# Altium PCB CRD25DA12N-FMC V2 (09-2024).PcbDoc (part 3 of 6) (continued)
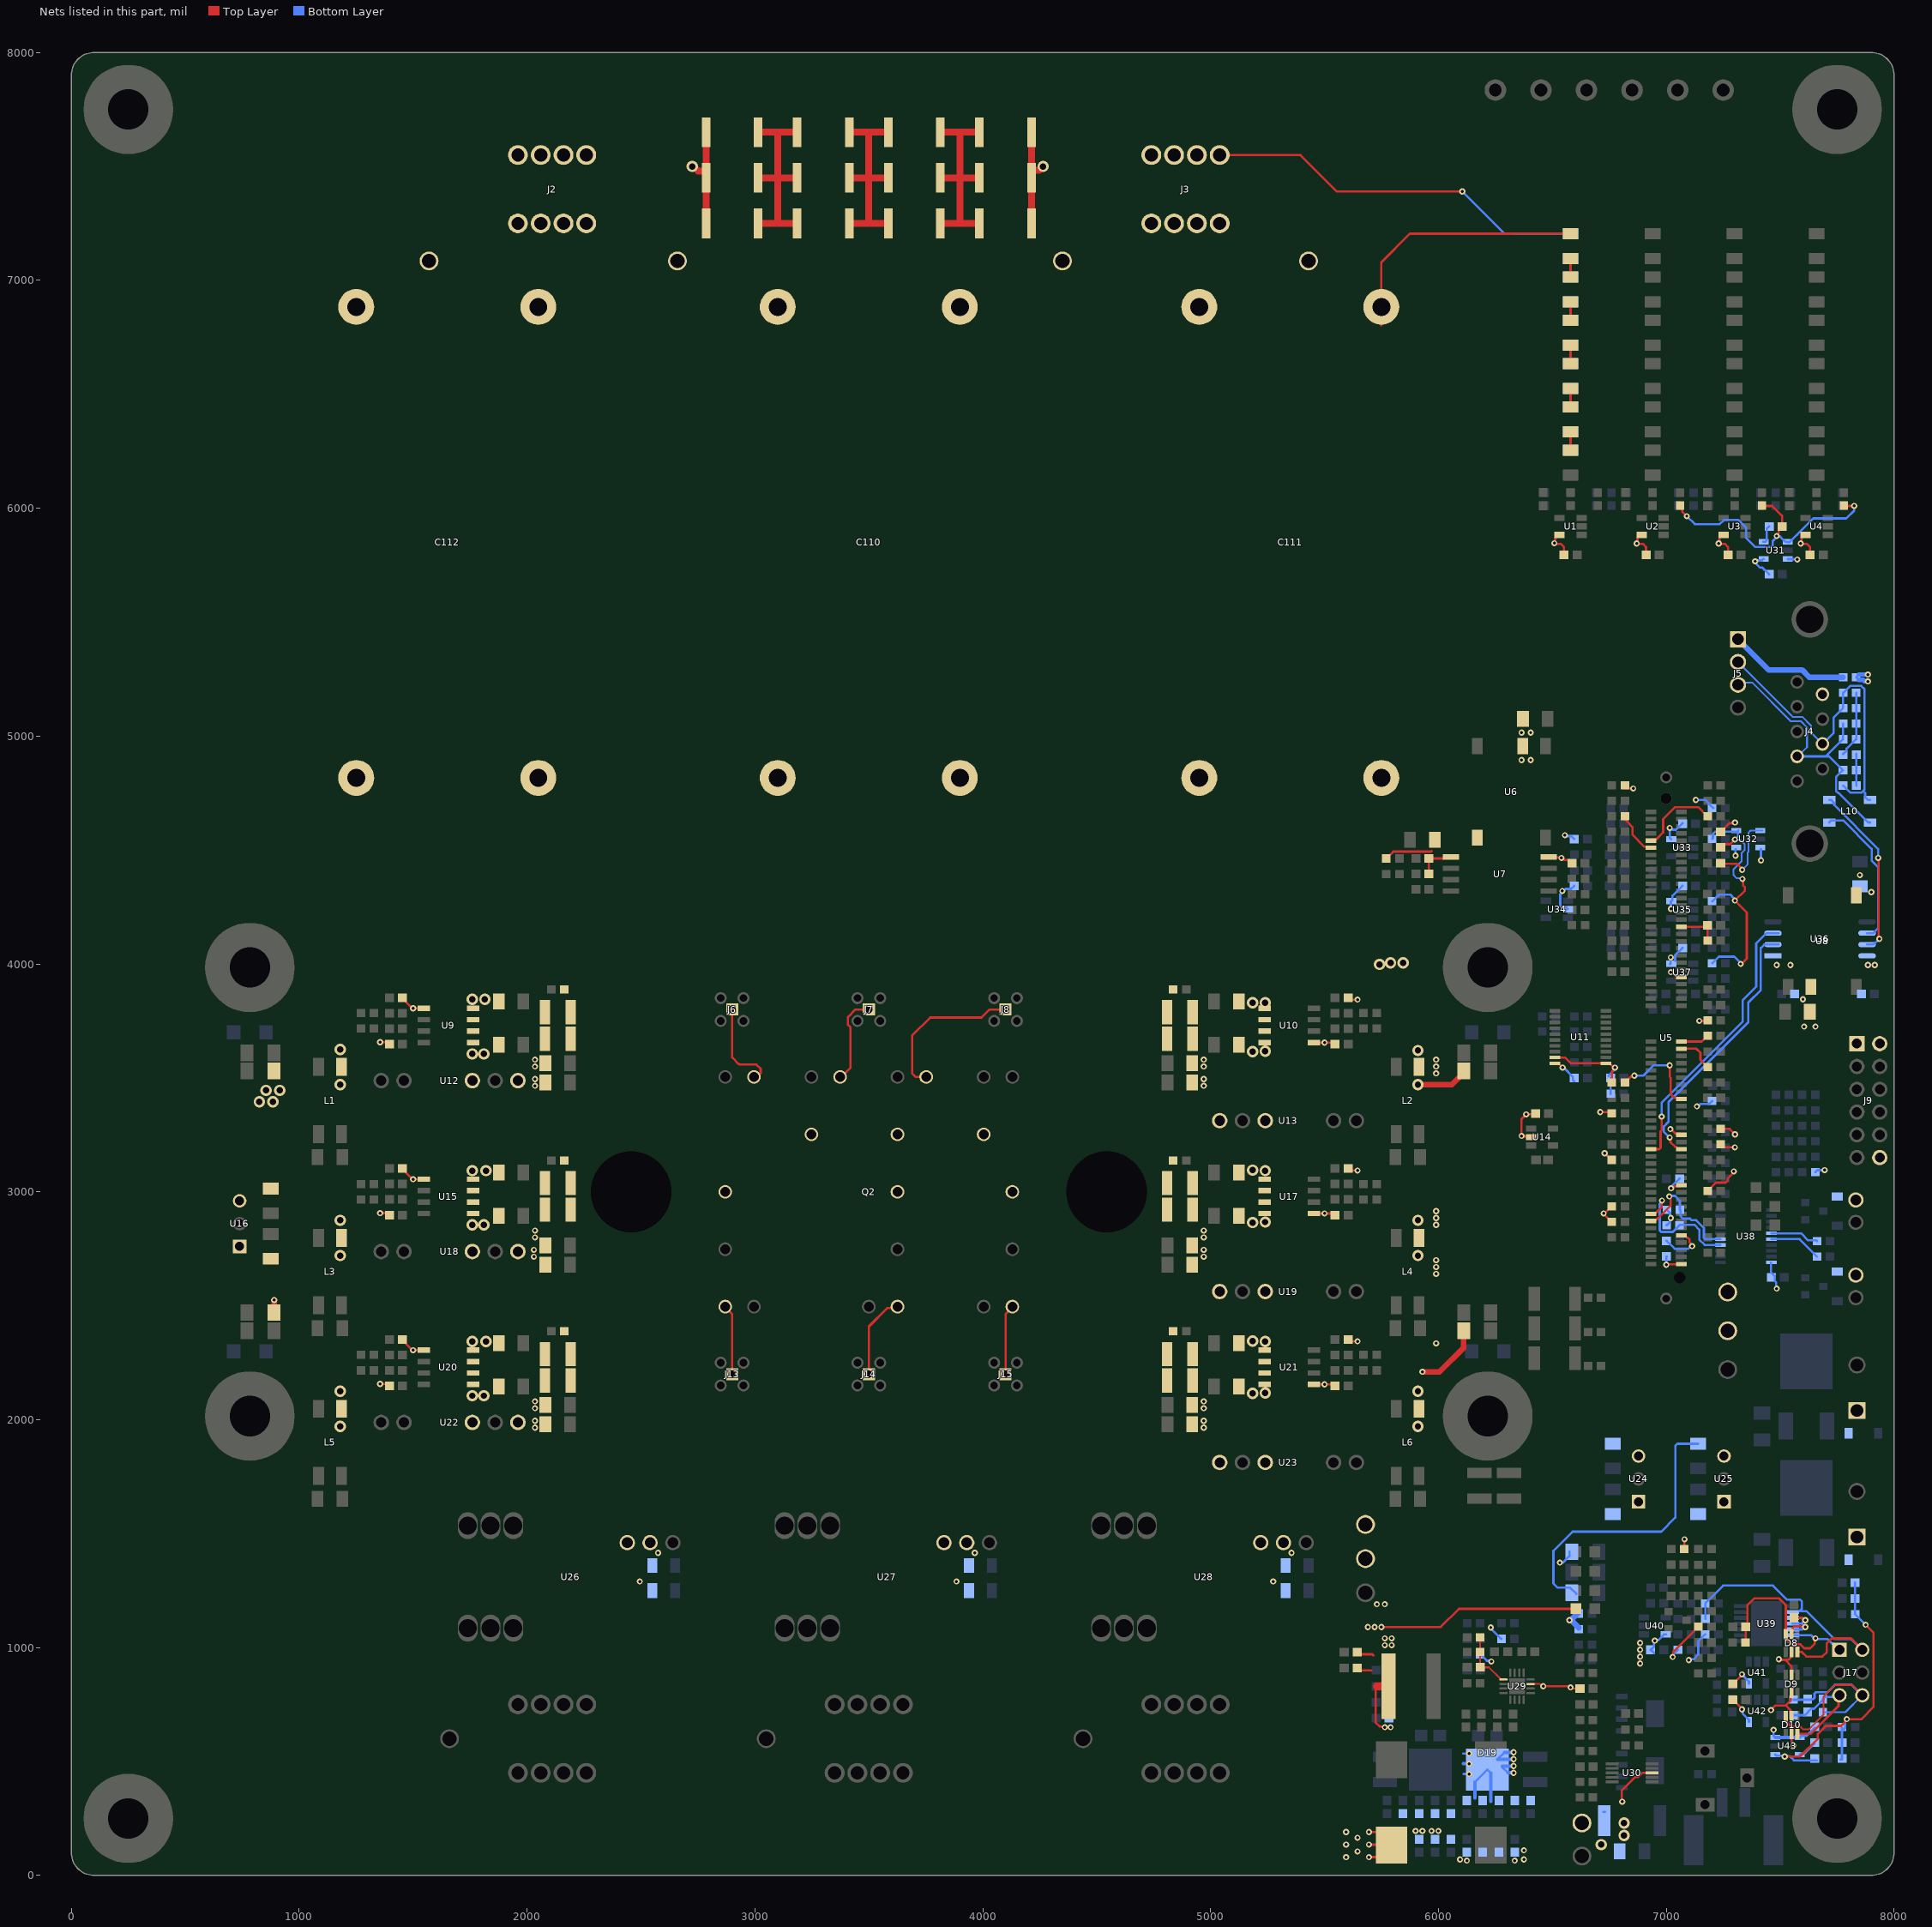
[diagram p7: the nets of this part, all layers, seen from the top]
## Part data (continued)
U30: "IC SURGE SUPPRESSION ADJ 10MSOP", Manufacturer="ANALOG DEVICES", Package=10-MSOP, Supplier Part Number 1=505-LTC4368IMS-2#PBF-ND, Category="Power Management ICs", ComponentLink1Description=http://www.linear.com/docs/57622?src-supplier=Digi-Key, ComponentLink1URL=http://www.linear.com/docs/57622?src-supplier=Digi-Key, Manufacturer Part Number=LTC4368IMS-2#PBF, Manufacturer Print="ANALOG DEVICES", Pricing 1="1=6.69000, 10=6.03900, 25=5.75840, 100=5.00000, 250=4.77528, 500=4.35396, 1000=3.97500 (USD)", RoHS=Yes, Supplier 1=Digi-Key
U31 U32 U43: "AUTOMOTIVE LOW-DRIFT, LOW-POWER,", Manufacturer="TEXAS INSTRUMENTS", Package=TSOT-23-5, Supplier Part Number 1=595-REF2033QDDCRQ1, Category="Voltage References", Manufacturer Part Number=REF2033QDDCRQ1, Pricing 1="1=3.59, 10=3.23, 50=3.23, 100=2.65, 1000=2.02, 10000=1.7 (USD)", RoHS=No, Stock 1=7420, Supplier 1=Mouser
U36: library part CMP-04872-000086-1, "IC TXRX/ISO FULL 1/1 8SOIC", Manufacturer="TEXAS INSTRUMENTS", Package=8-SOIC, Manufacturer Part Number=ISO1042BQDWVRQ1, RoHS Compliant=Yes
U39: library part CMP-04895-000282-1, "IC POWER 2 CIRCUIT 14HTSSOP", Manufacturer="TEXAS INSTRUMENTS", Package=14-PowerTSSOP, Manufacturer Part Number=ALM2402FQPWPRQ1

## Via types
v1: diameter 27, hole 13, Top Layer to Bottom Layer, tented both sides, 543 vias
v2: diameter 50, hole 28, Top Layer to Bottom Layer, tented both sides, 76 vias
v3: diameter 19.68, hole 7.87, Top Layer to Bottom Layer, tented top, 15 vias
v4: diameter 19.68, hole 7.87, Top Layer to Bottom Layer, tented both sides, 5 vias

## Nets (pads, with @x,y where several pads share a name; then routed paths per layer and width w, separated by ;. In a path a pad name is that pad's centre, name@x,y a point inside that pad or via, vN(x,y) a via of type N, cw(c..) or ccw(c..) an arc to the next point about the centre after c; other vN are vias at no path point)
+1.65V_I: C16.1 U32.1 | length 349
  Top Layer w10: C16.1@7238.58,4442 7240.58,4440 7310,4440 7333.21,4416.79 v1(7333.21,4413.21)
  Bottom Layer w8: v1(7333.21,4413.21) 7357.5,4437.5 7357.5,4488.19 7361.5,4492.18 7361.5,4576.5 7370.4,4585.4 U32.1@7423.15,4585.4
+1.65V_R: C161.1 C165.1 C181.1 C183.1 C184.1 R252.1 R272.1 U43.1 | length 1476.3
  Top Layer w10: v1(7520,521.49) 7586.8,521.49 7665,599.69 7665,620.31 7700.64,655.94 7767.72,655.94 7775.01,663.23 7775.01,663.81 7792.41,681.2 v1(7792.41,685.8) 7793.21,685 7820.91,685 7855,685 7910,740 7910,1065 v1(7875,1100)
  Bottom Layer w10: U43.1@7478.7,530.2 7484.15,524.74 7516.75,524.74 v1(7520,521.49) 7521.6,523.09 7541.91,523.09 7560,505 C184.1@7660.37,505 ; C183.1@7765.47,508 7771.42,508 C183.1@7771.42,513 7771.42,577.05 7770.47,578 7771.42,578 C181.1@7771.42,583 7771.42,634 ; R272.1@7771.38,647 7771.42,646.96 7771.42,634 ; v1(7792.41,685.8) 7792.41,681.2 7785.24,674.03 7785.24,646.96 7772.28,634 7771.42,634 ; C161.1@7828.58,1285 C165.1@7828.58,1215 C165.1@7828.58,1215 R252.1@7828.62,1146 7829.53,1146 7875,1100.53 v1(7875,1100)
+1.65V_V: C5.1 R40.2 R42.2 R44.2 U31.1 | length 1265.4
  Top Layer w10: R40.2@7060,6011.38 7069.85,6001.53 7069.85,5985.15 v1(7090,5965) ; R42.2@7420,6011.38 7421.38,6010 7465,6010 7508.58,5966.42 C5.1@7508.58,5920 7507.63,5920 7493.76,5906.14 7493.76,5891.72 7484.64,5882.6 v1(7484.64,5878) ; R44.2@7780,6011.38 7781.38,6010 v1(7825,6010)
  Bottom Layer w10: v1(7090,5965) 7125,5930 7234.54,5930 7253.04,5948.5 7316.81,5948.5 7350.91,5914.39 7350.91,5869.09 7390.41,5829.59 7459.9,5829.59 7467.25,5836.94 7467.25,5856.01 7484.64,5873.4 v1(7484.64,5878) 7487.9,5874.75 7500.96,5874.75 7523.31,5852.4 U31.1@7533.15,5852.4 ; U31.1@7533.15,5851.2 7541.79,5851.2 7574.09,5883.5 7645.59,5955 7790,5955 7825,5990 v1(7825,6010)
+3.3V: C6.1 C7.1 C8.1 C9.1 C10.1 C15.1 C31.1 C45.1 C100.1 C102.1 C123.1 C126.1 C135.1 C136.1 C140.1 C142.1 C155.1 C170.1 J9.1 R45.2 R71.2 R86.2 R89.2 R90.2 R92.2 R102.2 R107.2 R109.2 R135.2 R197.2 R223.2 R235.2 R239.2 R240.2 R245.1 R257.2 TP5.1 U1.5 U2.5 U3.5 U4.5 U6.2 U7.8 U8.2 U14.2 U24.3 U33.5 U34.2 U35.5 U36.1 U37.5 U40.5 U41.5 U42.5 | length 2896
  Top Layer w10: U14.2@6406.77,3242 6405.27,3243.5 6366.5,3243.5 v1(6365,3245) 6365,3319.69 6385,3339.69 v1(6385,3340) 6422.42,3340 C45.1@6426.42,3344 ; U7.8@6484.57,4470 6487.07,4467.5 6537.5,4467.5 v1(6540,4465) 6544.6,4465 6553.74,4455.86 6567.56,4455.86 C15.1@6581.42,4442 ; U1.5@6531.77,5882.6 6522.91,5882.6 6514.13,5873.82 6514.13,5864.96 6511.83,5862.66 6511.83,5849.68 v1(6508.58,5846.42) 6511.14,5843.86 6537.56,5843.86 6551.42,5830 C6.1@6551.42,5795 ; v1(6710,3350) 6755.38,3350 R86.2@6761.38,3344 ; v1(6729.42,3169.05) 6731.43,3169.05 6760.47,3140 R92.2@6761.38,3140 ; R109.2@6761.38,2868 6760.47,2868 6725,2903.47 v1(6725,2905) 6729.47,2905 6760.47,2936 R107.2@6761.38,2936 ; R45.2@6815,4770 v1(6855,4770) ; U2.5@6891.77,5882.6 6882.91,5882.6 6874.13,5873.82 6874.13,5864.96 6873.25,5864.08 6873.25,5848.25 v1(6870,5845) 6871.14,5843.86 6897.56,5843.86 6911.42,5830 C7.1@6911.42,5795 ; R135.2@7078.62,1432 7080,1433.38 v1(7080,1475) ; v1(7145,3750) 7179.38,3750 R71.2@7181.38,3752 ; R102.2@7181.38,3004 7182.28,3004 7218.28,3040 7260.81,3040 7269.39,3048.58 7269.39,3057.8 7296.6,3085.02 v1(7296.6,3089.62) ; R90.2@7238.62,3208 7251.58,3195.04 7300.94,3195.04 v1(7300.98,3195) ; R89.2@7238.62,3276 7277.9,3276 v1(7301.9,3252) ; U3.5@7251.77,5882.6 7242.91,5882.6 7234.13,5873.82 7234.13,5864.96 7233.25,5864.08 7233.25,5848.25 v1(7230,5845) 7231.14,5843.86 7257.56,5843.86 7271.42,5830 C8.1@7271.42,5795 ; C102.1@7291.42,771 7292.37,771 7332.36,731.01 v1(7332.36,728.64) ; C100.1@7291.42,840 7292.37,840 7332.36,879.99 v1(7332.36,882.36) ; U4.5@7611.77,5882.6 7602.91,5882.6 7594.13,5873.82 7594.13,5864.96 7593.25,5864.08 7593.25,5848.25 v1(7590,5845) 7591.14,5843.86 7617.56,5843.86 7631.42,5830 C9.1@7631.42,5795
  Bottom Layer w10: v1(6533.01,1372.78) 6533.48,1373.25 6547.07,1373.25 6575,1401.18 R245.1@6575,1420 ; v1(6544.02,4320) 6544.02,4315.4 6534.59,4305.97 6534.59,4254.64 6540.45,4248.78 6559.45,4248.78 U34.2@6568.23,4240 ; v1@6545,4320 6549.6,4320 6558.74,4329.14 6582.56,4329.14 C136.1@6596.42,4343 ; v1(6555,4565) 6559.6,4565 6563.78,4560.82 6583.6,4560.82 C126.1@6596.42,4548 ; C170.1@6931.42,990 C170.1@6932.37,990 ; C170.1@6946.24,976.14 C170.1@6932.37,990 ; v1(6950,1030) 6950,1025.4 6946.24,1021.64 6946.24,1003.86 C170.1@6932.37,990 ; 6965.02,1033.25 6989.37,1057.6 U40.5@6998.23,1057.6 ; R240.2@7001.38,2853 7002.28,2853 7015.24,2865.96 7015.24,2875.64 7020,2880.4 v1(7020,2885) 7020,2889.6 7016.62,2892.98 7016.62,2907.04 7015.91,2907.76 7015,2907.76 R239.2@7002.76,2920 ; U37.5@7016.42,3999.05 7019.81,4002.44 v1(7019.81,4028.66) ; v1(7020.56,4241.93) 7020.56,4272.68 7019.81,4273.44 U35.5@7021.77,4275.4 7027.47,4281.1 7027.47,4300 7070.47,4343 C135.1@7071.42,4343 ; U33.5@7021.77,4547.4 7015.1,4554.07 v1(7015.1,4596.7) 7019.7,4596.7 7027.41,4589 7042.47,4589 7070.47,4617 C123.1@7071.42,4617 ; U37.5@7039.41,4013.18 7039.41,4038.94 7070.47,4070 C140.1@7071.42,4070 ; v1(7099.02,944.96) 7102.27,948.21 7119.21,948.21 7140.61,969.62 7140.61,1028.14 7170.47,1058 R257.2@7171.38,1058 ; v1(7130,4720) 7170.47,4720 7205.47,4685 R197.2@7206.38,4685 ; v1(7135,3375) 7139.6,3375 7149.64,3385.04 7188.42,3385.04 R223.2@7201.38,3398 ; v1(7332.36,728.64) 7335.62,725.38 7335.62,709.38 7362.6,682.4 U42.5@7362.6,673.54 ; v1(7332.36,882.36) 7332.36,880.87 7362.6,850.63 U41.5@7362.6,841.77 ; R235.2@7653.62,3086 7662.62,3095 v1(7695,3095)
  other v1: 7605,3725 7655,3725 7600,3845 7485,3995 7545,3995 6365,4895 6405,4895 6365,5015 6405,5015
+3.3V_I: C13.1 R199.2 R204.2 R210.2 U32.5 | length 1224.7
  Top Layer w10: C13.1@7238.58,4511 7252.44,4524.86 7279.94,4524.86 v1(7300.98,4545.91) ; v1(7326.5,4000) 7330,4000 7353.5,4023.5 7353.5,4225.75 v1(7300.98,4278.27) 7345,4322.29 7345,4337.27 7337.32,4344.95 7337.32,4369.55 v1(7334.06,4372.81)
  Bottom Layer w8: v1(7300.98,4545.91) 7303.4,4543.5 7326.82,4543.5 7343.5,4526.82 7343.5,4499.64 7331.5,4487.65 7331.5,4451.81 7295,4415.31 7295,4390 7308.94,4376.06 v1@7330.81,4376.06
  Bottom Layer w10: R210.2@7201.38,4003 7202.28,4003 7231.24,4031.96 7298.04,4031.96 7326.5,4003.5 v1(7326.5,4000) ; R204.2@7201.38,4275 7202.28,4275 7231.24,4303.96 7282.04,4303.96 7289.11,4296.88 7289.11,4294.74 7300.98,4282.87 v1(7300.98,4278.27) ; R199.2@7201.38,4548 7205,4551.62 7205,4570 7215,4580 7311.45,4580 U32.5@7315,4583.55 ; v1(7300.98,4545.91) 7300.98,4545.98 7315,4560 U32.5@7315,4583.55 ; U32.5@7316.85,4585.4 U32.5@7315,4583.55 ; v1@7330.81,4376.06 v1(7334.06,4372.81)
+3.3V_R: C182.1 U43.5 | length 86.2
  Bottom Layer w10: U43.5@7585,530.2 7591.81,537.01 7609.48,537.01 7650.47,578 C182.1@7651.42,578
+3.3V_V: C117.1 U31.5 | length 82
  Bottom Layer w10: U31.5@7426.85,5852.4 7434.01,5852.4 7440.82,5859.21 7440.82,5909.4 C117.1@7451.42,5920
+5V: C11.1 C27.1 C39.1 C50.1 C62.1 C72.1 C82.1 C118.1 C147.1 C150.1 C151.1 C152.1 C153.1 C154.1 C180.1 J9.2 R248.1 TP6.1 U5.48 U5.84 U5.98 U5.112 U5.120 U10.1 U11.20 U17.1 U21.1 U25.3 U31.3 U31.4 U32.3 U32.4 U38.20 U43.3 U43.4 | length 3053.7
  Top Layer w10: U21.1@5453.27,2155 5544.42,2155 C82.1@5551.42,2148 ; U17.1@5453.27,2905 5544.42,2905 C62.1@5551.42,2898 ; U10.1@5453.27,3655 5544.42,3655 C39.1@5551.42,3648 ; C72.1@5608.58,2352 5617.08,2343.5 v1(5645,2343.5) ; C50.1@5608.58,3102 5617.08,3093.5 v1(5645,3093.5) ; C27.1@5608.58,3852 5617.08,3843.5 v1(5645,3843.5) ; U11.20@6510.59,3563.82 6526.34,3563.82 6536.9,3553.25 6546.75,3553.25 v1@6550,3550 ; v1(7000,2680) 7001.44,2681.44 7065.49,2681.44 U5.120@7066.93,2682.87 ; v1(7018,3275) 7020.61,3275 7040.94,3254.67 7042.45,3254.67 7062.09,3254.65 U5.84@7066.93,3249.8 ; v1(7019.81,3964.12) 7024.41,3964.12 7040.97,3947.56 7062.09,3947.56 U5.48@7066.93,3942.72 ; v1(7021.2,3015.64) 7025.8,3015.64 7034.65,3024.49 7062.09,3024.49 U5.98@7066.93,3029.33 ; U5.112@7066.93,2808.86 7080.71,2808.86 7091.36,2798.2 7095.11,2798.2 7101.55,2791.76 7101.55,2777.96 7113.3,2766.21 v1(7113.3,2761.61) ; C11.1@7238.58,4580 7239.53,4580 7276.99,4617.46 7298.64,4617.46 v1(7301.89,4620.71)
  Bottom Layer w10: v1(6545,3545) 6548.25,3541.75 6553.73,3541.75 6590,3505.47 6590,3490 C147.1@6595,3485 ; R248.1@6605.54,1235 6577.04,1263.5 6521.93,1263.5 6504.51,1280.93 6504.51,1424.51 6588.5,1508.5 6978.5,1508.5 7040,1570 7040,1885 7049.19,1894.19 C154.1@7140,1894.19 ; v1(7000,2680) 7000,2714.58 C152.1@7001.42,2716 ; C151.1@7001.42,2785 7002.37,2785 7037.37,2750 7097.08,2750 7108.7,2761.61 v1(7113.3,2761.61) ; v1(7021.2,3015.64) 7024.45,3018.89 7024.45,3024.82 7057.63,3058 C150.1@7058.58,3058 ; v1(7304,4475) 7304,4503.79 U32.4@7305,4503.79 ; v1(7390,5767) 7393.25,5763.75 7393.25,5757.66 7410.61,5740.31 7420.17,5740.31 7450.47,5710 C118.1@7451.42,5710 ; v1@7393.5,5763.5 7400.79,5770.79 7420.04,5770.79 U31.4@7426.85,5777.6 ; U32.3@7415,4503.79 7415.79,4503.79 v1(7415.79,4454.48) ; U38.20@7459.41,2688.82 7459.41,2647.05 7476.24,2630.22 7476.24,2608.36 7481.75,2602.85 7481.75,2578.25 v1(7485,2575) ; v1(7471.28,638.72) 7471.28,611.81 7478.09,605 U43.3@7478.7,605 ; U31.3@7533.15,5777.6 7534.45,5776.3 7573.7,5776.3 v1(7575,5775) ; U43.4@7588.19,605 U43.4@7585,605 7591.81,611.81 7615.28,611.81 7650.47,647 C180.1@7651.42,647
  Bottom Layer w15: U43.3@7478.7,605 U43.4@7585,605
  other v1: 5500,2155 5990,2335 5990,2640 5990,2670 5990,2700 5990,2855 5990,2885 5500,2905 5990,2915 5990,3520 5990,3550 5990,3580 5500,3655
+5V_ALT: C26.1 C38.1 C49.1 C56.1 C61.1 C71.1 C81.1 U9.1 U15.1 U16.3 U20.1 | length 475.4
  Top Layer w10: v1(1355,2156.5) 1382.92,2156.5 C81.1@1391.42,2148 ; v1(1355,2906.5) 1382.92,2906.5 C61.1@1391.42,2898 ; v1(1355,3656.5) 1382.92,3656.5 C38.1@1391.42,3648 ; C71.1@1448.58,2352 1449.53,2352 1495,2306.53 1495,2305 U20.1@1546.73,2305 ; C49.1@1448.58,3102 1449.53,3102 1495,3056.53 1495,3055 U15.1@1546.73,3055 ; C26.1@1448.58,3852 1449.53,3852 1495,3806.53 1495,3805 U9.1@1546.73,3805
  other v1: 1500,2305 1500,3055 1500,3805
+5V_ISO: C128.1 C141.1 J4.9 R192.2 U8.5 U36.8 | length 115.2
  Bottom Layer w10: R192.2@7844.63,5246.99 R192.2@7833.62,5258 R192.2@7845.62,5270
  Bottom Layer w20: R192.2@7844.63,5246.99 7864.36,5246.99 7870.01,5241.34 7883.66,5241.34 v1(7885,5240) ; R192.2@7845.62,5270 v1(7885,5270)
  other v1: 7885,3995 7915,3995 7900,4315 7850,4390
+5V_ISO_BUF: J5.1 R192.1 | length 530.8
  Bottom Layer w25: J5.1@7315,5425 7450,5290 7552.18,5290 7552.48,5290.3 7595.71,5290.3 7628.01,5258 R192.1@7776.38,5258
+5V_NTC: C12.1 C14.1 C17.1 R53.2 U6.5 U7.1 | length 380.6
  Top Layer w10: R53.2@5771.38,4463 5772.28,4463 5802.15,4492.86 5967.86,4492.86 5970,4495 ; C14.1@5957.63,4463 C14.1@5958.58,4463 ; C17.1@5958.58,4395 C14.1@5958.58,4463 ; U7.1@6055.43,4470 6031.81,4470 6024.81,4463 C14.1@5958.58,4463
+12V: C64.1 C97.1 C99.1 C101.1 C156.1 C157.1 C172.1 C175.1 C178.1 C179.1 C203.1 D13.1 D14.1 D17.1 D18.1 J9.12 J10.2 J11.2 J12.1 J16.1 L1.1 L2.1 L3.1 L4.1 L5.1 L6.1 L7.1 R80.1 R81.1 R115.1 R119.1 R259.2 R276.2 TP14.1 U16.1 U24.1 U25.1 U29.3 U30.8 | length 1493.4
  Top Layer w8: U29.3@6404.23,839.84 6445.02,839.84 6454.86,830 6575.1,830 6584.77,820.33 6620.09,820.33 C101.1@6621.42,819
  Top Layer w10: C99.1@5643.58,900 5705,900 ; C97.1@5643.58,970 5710,970 5715,965 ; 5730.86,830 5725,824.14 5725,670 5741.75,653.25 5758.25,653.25 v1@5760,655 ; R81.1@6110.9,3522.08 R81.1@6110.9,3530 ; v1(6806.5,323.5) 6805,325 6805,373.06 6863.39,431.45 6876.45,431.45 6894.84,449.84 U30.8@6935.16,449.84
  Top Layer w25: R115.1@889.1,2470 885.21,2473.9 890,2478.69 v1(890,2525) ; v2(5910,3470) 6058.82,3470 R81.1@6110.9,3522.08 ; v1(5930,2210) 6005,2210 6110.9,2315.9 R119.1@6110.9,2390
  Top Layer w35: 5730.86,830 L7.1@5781.57,830
  Bottom Layer w10: v1(6230,1088) 6230,1083.47 6275.47,1038 R259.2@6276.38,1038 ; R276.2@6724.07,278.08 R276.2@6731.14,278.08
  other v1: 5765,650 5790,650 6579.93,825.16 6460,830 5765,1010 5795,1010 5765,1040 5795,1040
  other v2: 6715,135 6815,175 6815,230 1180,1970 5910,1970 1180,2125 5910,2125 1180,2720 5910,2720 1180,2875 5910,2875 825,3395 885,3395 855,3445 915,3445 1180,3470 5910,3620 1180,3625 5742.08,3997.92 5790,4005 5845,4005
+15V: C92.1 C158.1 C159.1 C160.1 C185.2 C186.1 C187.1 C188.1 C189.1 C195.1 C196.1 C197.1 C198.1 D8.2 D8.5 D9.2 D9.5 D10.2 D10.5 D19.1 R141.2 R251.2 R256.2 R261.2 R262.2 TP8.1 U26.8 U27.8 U28.8 U39.10 U39.11 U39.12 | length 1792.9
  Top Layer w10: v1(7028.2,958.5) 7031.16,961.46 7031.16,981.69 7140.47,1091 R141.2@7141.38,1091 ; v1(7459.43,725.36) 7479.79,745.72 7525.11,745.72 ; v1(7494.07,948.46) 7496.54,945.99 7520,945.99 ; D10.2@7550,620.63 7550,582.22 7558,574.22 v1(7558,569.62) ; D10.5@7550,699.37 7546.14,703.23 7546.14,724.69 7525.11,745.72 ; D9.2@7550,800.63 7546.14,796.77 7546.14,766.75 7525.11,745.72 ; D9.5@7550,879.37 7549.98,917.01 7520,946.99 7537.82,946.99 7546.14,955.31 7546.14,976.77 D8.2@7550,980.63 ; D8.5@7550,1059.37 7553.86,1063.23 7553.86,1084.69 7562.18,1093.01 7589.01,1093.01 7590.51,1091.5 7608.5,1091.5 v1(7610,1090) ; C92.1@7560,1131.42 7593.98,1131.42 7605.4,1120 v1(7610,1120)
  Bottom Layer w10: 6108.5,535 v1(6135,535) ; 6110,445 v1(6135,445) ; D19.1@6160,409.06 D19.1@6215,464.06 D19.1@6230,449.06 ; R262.2@6183.62,970 6184.53,970 6212.64,941.89 6228.7,941.89 v1(6231.95,938.64) ; D19.1@6260,510 6259.69,510.31 D19.1@6289.37,540 ; D19.1@6280.47,480 6280.47,474.02 D19.1@6304.49,450 ; v1@6583.73,1123.25 6578.25,1123.25 v1(6575,1120) 6578.25,1116.75 v1@6585.73,1116.75 ; R256.2@6615.47,1087 R256.2@6616.38,1087 ; R251.2@6615.47,1155 R251.2@6616.38,1155 ; v1(7028.2,958.5) 7031.16,961.46 7031.16,970.69 7050.47,990 R261.2@7051.38,990 ; U39.12@7554.17,1079.41 7597.69,1079.41 7608.28,1090 v1(7610,1090) 7595,1105 ; U39.11@7554.17,1105 7595,1105 ; U39.10@7555.91,1128.86 U39.10@7554.17,1130.59 7596.29,1130.59 7606.88,1120 v1(7610,1120) 7595,1105
  Bottom Layer w15: 6110,490 v1(6135,490) ; 6160,340 D19.1@6160,409.06 ; 6230,325 D19.1@6230,449.06 ; D19.1@6260,510 v1(6330,510) ; D19.1@6280.47,480 v1(6330,480) ; D19.1@6289.37,540 v1(6330,540) ; D19.1@6304.49,450 v1(6330,450)
  Bottom Layer w25: v1@6583.73,1123.25 R251.2@6615.47,1155 ; v1@6585.73,1116.75 R256.2@6615.47,1087
  other v1: 6125,65 6335,65 6095,70 6375,70 6375,110 6885,930 6885,960 6885,990 6885,1020 2575,1415 3965,1415 5355,1415
+15V_U_HS: C59.1 C67.1 U15.5 U18.7
  other v1: 2030,2715 2030,2745
  other v2: 1760,2855 1810,2855
+15V_U_LS: C79.1 C85.1 U20.5 U22.7
  other v1: 2035,1965 2035,1995
  other v2: 1760,2105 1810,2105
+15V_V_HS: C36.1 C42.1 U9.5 U12.7
  other v1: 2035,3465 2035,3495
  other v2: 1760,3605 1810,3605
+15V_V_LS: C74.1 C86.1 U21.5 U23.7
  other v1: 4970,1965 4970,1995
  other v2: 5240,2342.8 5185,2345
+15V_W_HS: C29.1 C43.1 U10.5 U13.7
  other v1: 4970,3465 4970,3495
  other v2: 5185,3830 5240,3830
+15V_W_LS: C52.1 C68.1 U17.5 U19.7
  other v1: 4970,2715 4970,2745
  other v2: 5240,3092.8 5185,3095
-3V_U_HS: C51.2 C65.2 U15.8 U18.5
  other v1: 2035,2800 2035,2830
  other v2: 1760,3092.8 1820,3092.8
-3V_U_LS: C73.2 C83.2 U20.8 U22.5
  other v1: 2035,2050 2035,2080
  other v2: 1760,2342.8 1820,2342.8
-3V_V_HS: C28.2 C40.2 U9.8 U12.5
  other v1: 2035,3550 2035,3580
  other v2: 1760,3845 1815,3845
-3V_V_LS: C80.2 C84.2 U21.8 U23.5
  other v1: 4970,2050 4970,2080
  other v2: 5185,2115 5240,2117.2
-3V_W_HS: C37.2 C41.2 U10.8 U13.5
  other v1: 4970,3550 4970,3580
  other v2: 5185,3615 5240,3617.2
-3V_W_LS: C60.2 C66.2 U17.8 U19.5
  other v1: 4970,2800 4970,2830
  other v2: 5185,2865 5240,2867.2
-15V: C162.2 C163.2 C164.2 C190.1 C191.1 C192.1 C193.1 C199.1 C200.1 C201.1 C202.1 D7.1 L8.2 TP9.1 U26.7 U27.7 U28.7 | length 1226.3
  Top Layer w10: v1(5695,80) 5737.99,80 L8.2@5792.99,135 ; v1(5695,135) L8.2@5792.99,135 ; v1(5695,190) 5737.99,190 L8.2@5792.99,135 ; v1(5750,1090) 6010,1090 6090,1170 D7.1@6603.66,1170
  other v1: 5595,80 5645,105 5595,135 5645,165 5595,190 5900,195 5930,195 5970,195 6000,195 5690,1090 5720,1090 5730,1190 5765,1190 2495,1290 3885,1290 5275,1290
A0: R50.2 U5.9 | length 357.8
  Top Layer w10: U5.9@6933.07,4541.14 6937.91,4545.98 6955.44,4545.98 6986.6,4577.15 6986.6,4635.82 7038.75,4687.97 7141.13,4687.97 7179.09,4650 R50.2@7180,4650
A1: R49.2 U5.11 | length 186.2
  Top Layer w10: R49.2@6818.62,4634 6819.53,4634 6832.48,4621.04 6832.48,4620.14 6851.5,4601.12 6851.5,4567.48 6904.49,4514.49 6914.45,4514.49 6919.29,4509.65 U5.11@6933.07,4509.65
BLEED1: R1.1 R2.2 R5.1 R6.2 R9.1 R10.2 | length 914.5
  Top Layer w30: R9.1@3014.25,7250 3100,7250 ; R5.1@3014.25,7450 3100,7450 ; R1.1@3014.25,7650 3100,7650 ; R10.2@3185.75,7250 3100,7250 ; R6.2@3185.75,7450 3100,7450 ; R2.2@3185.75,7650 3100,7650 ; 3100,7250 3100,7450 ; 3100,7450 3100,7650
BLEED2: R2.1 R3.2 R6.1 R7.2 R10.1 R11.2 | length 914.5
  Top Layer w30: R10.1@3414.25,7250 3500,7250 ; R6.1@3414.25,7450 3500,7450 ; R2.1@3414.25,7650 3500,7650 ; R11.2@3585.75,7250 3500,7250 ; R7.2@3585.75,7450 3500,7450 ; R3.2@3585.75,7650 3500,7650 ; 3500,7250 3500,7450 ; 3500,7450 3500,7650
BLEED3: R3.1 R4.2 R7.1 R8.2 R11.1 R12.2 | length 914.5
  Top Layer w30: R11.1@3814.25,7250 3900,7250 ; R7.1@3814.25,7450 3900,7450 ; R3.1@3814.25,7650 3900,7650 ; R12.2@3985.75,7250 3900,7250 ; R8.2@3985.75,7450 3900,7450 ; R4.2@3985.75,7650 3900,7650 ; 3900,7250 3900,7450 ; 3900,7450 3900,7650
CAN_H: C121.1 J4.7 J5.2 L10.2 R193.2 R194.2 | length 1521.7
  Bottom Layer w8: J5.2@7315,5325 7550.61,5089.35 7550.61,5089.06 7555.29,5084.37 7596.96,5084.37 7635.78,5045.55 7635.78,5015.6 J4.7@7680.49,4970.89
  Bottom Layer w10: J4.7@7680.49,4970.89 J4.7@7685.91,4965.47 7735,5014.57 7735,5081.53 7775.47,5122 R194.2@7776.38,5122 R193.2@7776.38,5190 7777.28,5190 7807.28,5220 7855.99,5220 7870,5205.99 7870,4765 7864.39,4759.39 7864.39,4758.58 ; C121.1@7776.42,4782 7777.37,4782 7807.24,4752.14 7857.95,4752.14 7864.39,4758.58 ; L10.2@7894.57,4719.21 7885.71,4719.21 7872.99,4731.93 7872.99,4749.98 7864.39,4758.58
CAN_HFILT: L10.1 U36.7 | length 769
  Top Layer w10: v1(7930,4465) 7932.5,4462.5 7932.5,4112.5 v1(7935,4110)
  Bottom Layer w10: L10.1@7715.43,4719.21 7724.29,4719.21 7737.01,4706.5 7737.01,4697.64 7930,4504.65 v1(7930,4465) ; U36.7@7881.71,4085 7909.36,4085 7934.36,4110 v1(7935,4110)
CAN_L: C120.2 J4.2 J5.3 L10.3 R195.1 R196.1 | length 1248.2
  Bottom Layer w8: J5.3@7325,5235 7376.67,5235 7546.67,5065 7590.87,5065 7617.78,5038.09 7617.78,4951.21 7577.52,4910.94 J4.2@7574.09,4910.94
  Bottom Layer w10: J5.3@7315,5225 J5.3@7325,5235 ; J4.2@7574.09,4910.94 7700.42,4910.94 ; C120.2@7776.42,4850 C120.2@7775.47,4850 ; R195.1@7776.38,5054 R196.1@7776.38,4986 7775.47,4986 7700.42,4910.94 ; L10.3@7894.57,4620.79 7885.71,4620.79 7756.5,4750 7755,4750 7752.86,4752.14 7752.05,4752.14 7745.61,4758.58 7745.61,4820.14 C120.2@7775.47,4850 ; 7700.42,4910.94 7714.53,4910.94 C120.2@7775.47,4850
CAN_LFILT: L10.4 U36.6 | length 660.2
  Bottom Layer w10: L10.4@7715.43,4620.79 7724.65,4630 7776.36,4630 7901.5,4504.86 7901.5,4453.19 7931.18,4423.52 7931.18,4157.46 7908.72,4135 U36.6@7881.71,4135
CAN_MIDC: C119.2 C120.1 C121.2 | length 140
  Bottom Layer w10: C121.2@7833.58,4782 C120.1@7833.58,4850 C119.2@7833.58,4922
CAN_MIDR: C119.1 R193.1 R194.1 R195.2 R196.2 | length 292.8
  Bottom Layer w10: C119.1@7776.42,4922 7777.37,4922 7791.24,4935.86 7791.24,4944.52 7832.72,4986 R196.2@7833.62,4986 R195.2@7833.62,5054 R194.1@7833.62,5122 R193.1@7833.62,5190
CAN_RX: U5.87 U36.3 | length 1232.6
  Top Layer w10: U5.87@6933.07,3186.81 6969.14,3186.81 6975,3192.67 6975,3265.21 6980,3270.21 v1(6980,3330)
  Bottom Layer w10: v1(6980,3330) 6980,3391.57 7335,3746.57 7335,3840 7395,3900 7395,4090 7440,4135 U36.3@7493.29,4135
CAN_TX: U5.88 U36.2 | length 1186.5
  Top Layer w10: v1(7014.98,3238.12) 7018.24,3234.87 7018.24,3217.98 7038.75,3197.46 7042.5,3197.46 7053.15,3186.81 U5.88@7066.93,3186.81
  Bottom Layer w10: v1(7014.98,3238.12) 7014.57,3238.12 6989.5,3263.19 6989.5,3286.81 7010,3307.31 7010,3393.28 7360,3743.28 7360,3830 7415,3885 7415,4070 7430,4085 U36.2@7493.29,4085
COS: C23.1 R62.2 U5.34 | length 177.7
  Top Layer w10: U5.34@7066.93,4163.19 C23.1@7176.61,4163.19 ; R62.2@7181.38,4100 7181.38,4167.96 C23.1@7181.42,4168
COS_N: C176.2 D10.6 J17.6 R268.1 R269.1 | length 1079.9
  Top Layer w8: 7528.27,673.3 7547.3,654.27 7587.84,654.27 7601.48,640.63 7625,640.63 7690,705.63 7690,785 7740.5,835.5 7814.5,835.5 J17.6@7860,790
  Top Layer w10: D10.6@7524.41,699.37 7524.41,685.59 7528.27,681.73 7528.27,673.3
  Bottom Layer w8: R269.1@7688,716.38 7786.38,716.38 J17.6@7860,790
  Bottom Layer w10: R268.1@7558.62,771 7636.02,771 7638.59,773.58 7644.89,773.58 7650.75,779.43 7650.75,797.62 7656.61,803.48 7707.73,803.48 7740.74,836.5 7813.5,836.5 J17.6@7860,790
COS_P: C176.1 D10.3 J17.5 R269.2 R271.1 | length 520.5
  Top Layer w10: D10.3@7575.59,620.63 7633.11,620.63 7755.98,743.5 7755.98,785.98 J17.5@7760,790
  Bottom Layer w10: R271.1@7558.62,703 7608.58,703 7622,716.42 7622,717.37 7635.86,731.24 7648.52,731.24 7690,772.72 R269.2@7690,773.62 ; R269.2@7688,773.62 7688,774.53 7696.96,783.48 7753.48,783.48 J17.5@7760,790
DC+: C110.1 C110.2 C111.1 C111.2 C112.1 C112.2 J2.1 J2.2 J2.3 J2.4 J2.5 J2.6 J2.7 J2.8 Q2.DC+_1 Q2.DC+_2 Q2.DC+_3 R1.2 R5.2 R9.2 R13.1 TP1.1 TP2.1 | length 1654.8
  Top Layer w10: 5749.61,6803.46 5749.61,7079.61 5875,7205 6325,7205 6325.12,7205.12 R13.1@6580,7205.12
  Top Layer w30: v2(2725,7500) 2730.41,7500 2751.32,7479.09 2781.89,7479.09 2785.75,7475.23 R5.2@2785.75,7450 ; R9.2@2785.75,7250 R5.2@2785.75,7450 ; R1.2@2785.75,7650 R5.2@2785.75,7450
DC+1: R13.2 R17.1 | length 79.8
  Top Layer w10: R17.1@6580,7015.12 R13.2@6580,7094.88
DC+2: R17.2 R21.1 | length 79.8
  Top Layer w10: R21.1@6580,6825.12 R17.2@6580,6904.88
DC+3: R21.2 R25.1 | length 79.8
  Top Layer w10: R25.1@6580,6635.12 R21.2@6580,6714.88
DC+4: R25.2 R29.1 | length 79.8
  Top Layer w10: R29.1@6580,6445.12 R25.2@6580,6524.88
DC+5: R29.2 R33.1 | length 79.8
  Top Layer w10: R33.1@6580,6255.12 R29.2@6580,6334.88
DC-: C110.3 C110.4 C111.3 C111.4 C112.3 C112.4 J3.1 J3.2 J3.3 J3.4 J3.5 J3.6 J3.7 J3.8 Q2.DC-1 Q2.DC-2 Q2.DC-3 R4.1 R8.1 R12.1 R160.1 TP3.1 TP4.1 | length 2171.4
  Top Layer w10: J3.4@5040,7550 5395,7550 5555,7390 v1(6105,7390)
  Top Layer w30: R12.1@4214.25,7250 R8.1@4214.25,7450 ; R4.1@4214.25,7650 R8.1@4214.25,7450 ; v2(4265,7500) 4248.11,7483.11 4218.11,7483.11 4214.25,7479.25 R8.1@4214.25,7450
  Bottom Layer w10: v1(6105,7390) 6289.88,7205.12 R160.1@6580,7205.12
DC-1: R160.2 R164.1 | length 79.8
  Bottom Layer w10: R164.1@6580,7015.12 R160.2@6580,7094.88
DC-2: R164.2 R168.1 | length 79.8
  Bottom Layer w10: R168.1@6580,6825.12 R164.2@6580,6904.88
DC-3: R168.2 R172.1 | length 79.8
  Bottom Layer w10: R172.1@6580,6635.12 R168.2@6580,6714.88
DC-4: R172.2 R176.1 | length 79.8
  Bottom Layer w10: R176.1@6580,6445.12 R172.2@6580,6524.88
DC-5: R176.2 R180.1 | length 79.8
  Bottom Layer w10: R180.1@6580,6255.12 R176.2@6580,6334.88
EPWM7A: R76.2 U5.58 | length 124.7
  Top Layer w10: U5.58@7066.93,3659.25 7155.72,3659.25 7180.47,3684 R76.2@7181.38,3684
EPWM7B: R82.2 U5.60 | length 166
  Top Layer w10: U5.60@7066.93,3627.76 7132.24,3627.76 7150,3610 7150,3578.47 7180.47,3548 R82.2@7181.38,3548
EXC_N: C167.2 D8.3 J17.2 R249.2 U39.9 | length 1314.3
  Top Layer w10: D8.3@7575.59,980.63 7579.4,980.63 7594.36,980.63 7614.99,960 7685.31,960 7704.55,979.24 7704.55,1018.75 7725.79,1040 7810,1040 J17.2@7860,990
  Bottom Layer w10: C167.2@7171.42,1126 R249.2@7171.38,1194 R249.2@7171.38,1194 7184.33,1206.96 7185.24,1206.96 7250.13,1271.84 7468.16,1271.84 7530,1210 7587.99,1210 7594.7,1203.29 7594.7,1169.5 7585.24,1160.04 7614.96,1160.04 7738.5,1036.5 7813.5,1036.5 J17.2@7860,990
EXC_P: C93.2 D8.6 J17.1 R143.2 U39.13 | length 932.7
  Top Layer w10: R143.2@7348.62,1022 C93.2@7348.58,1091 C93.2@7348.58,1091 7356.42,1098.84 7356.42,1186.47 7386.4,1216.46 7493.6,1216.46 7520,1190.05 7520,1190 7524.41,1185.59 7524.41,1060 7528.27,1056.14 7528.27,1034.05 7548.05,1014.27 7589.01,1014.27 7606.45,996.82 7631.81,996.82 7651.75,1016.76 7651.75,1036.75 v1(7655,1040) v1@7656.81,1038.19 ; J17.1@7751.5,998.5 J17.1@7760,990
  Bottom Layer w10: U39.13@7554.17,1053.82 7636.58,1053.82 7650.4,1040 v1(7655,1040) 7658.25,1036.75 7708.25,1036.75 7728.5,1016.5 7733.5,1016.5 J17.1@7760,990
FAN1: R242.1 U38.16 | length 231.3
  Bottom Layer w10: U38.16@7462.2,2792.2 7585.17,2792.2 7647.52,2729.86 7647.52,2728.96 7660.47,2716 R242.1@7661.38,2716
FAN1_OUT: R240.1 U5.105 U38.4 | length 551.6
  Top Layer w10: U5.105@6947.25,2903.75 6951.69,2908.19 6955.44,2908.19 6980.43,2933.18 6980.43,2960.83 v1(6980.99,2961.39)
  Bottom Layer w10: v1(6980.99,2961.39) 6980.99,2956.79 6971.52,2947.32 6971.52,2830.49 6977.96,2824.04 7028.76,2824.04 7057.72,2853 R240.1@7058.62,2853 ; R240.1@7058.62,2855 7123.21,2855 7145,2833.21 7145,2789.78 7168.16,2766.61 U38.4@7237.8,2766.61
FAN2: R241.1 U38.15 | length 213.2
  Bottom Layer w10: U38.15@7462.2,2817.8 7592.2,2817.8 7623.38,2786.63 7658.75,2786.63 R241.1@7661.38,2784
FAN2_OUT: R239.1 U5.107 U38.5 | length 524.2
  Top Layer w10: U5.107@6933.07,2871.85 6937.91,2876.69 6955.44,2876.69 6961.25,2882.5 7020,2941.25 7020,2968.15 7013.25,2974.9 v1(7013.25,2979.5)
  Bottom Layer w10: v1(7013.25,2979.5) 7015.5,2981.75 7038.25,2981.75 7060,2960 R239.1@7060,2920 7062.1,2917.9 7062.1,2892.9 7073.04,2881.96 7104.46,2881.96 7111.41,2875 7131.49,2875 7165,2841.49 7165,2798.06 7170.86,2792.2 U38.5@7237.8,2792.2
FB_15V: C98.2 R142.2 R144.1 U29.9 | length 258.8
  Top Layer w8: R144.1@6182.24,980 6182.24,1043.62 R142.2@6183.62,1045 ; R144.1@6183.62,980 C98.2@6183.58,913 6222,913 6271.52,863.48 6271.52,860.18 6272.18,859.53 U29.9@6285.77,859.53
G1: J6.1 Q2.G1 R94.2 R97.2 R105.2 | length 412.6
  Top Layer w10: J6.1@2900.39,3800 2900.39,3589.61 2930,3560 2931.48,3560 2932.86,3558.62 3006.38,3558.62 3025,3540 3025,3520 3008.94,3503.94 Q2.G1@2996.06,3503.94 Q2.G1@2995,3505
G1H: R105.1 U15.6
G1L: R97.1 U15.7
G2: J13.1 Q2.G2 R120.2 R123.2 R131.2 | length 308.6
  Top Layer w10: Q2.G2@2870.08,2496.06 2870.08,2493.05 2900.39,2462.74 J13.1@2900.39,2200
G2H: R131.1 U20.6
G2L: R123.1 U20.7
G3: J7.1 Q2.G3 R64.2 R67.2 R74.2 | length 395.2
  Top Layer w10: Q2.G3@3374.02,3503.94 3378.94,3503.94 3420,3545 3420,3721.48 3408.62,3732.86 3408.62,3767.14 3441.48,3800 J7.1@3500.39,3800
G3H: R74.1 U9.6
G3L: R67.1 U9.7
G4: J14.1 Q2.G4 R121.2 R124.2 R132.2 | length 370.6
  Top Layer w10: J14.1@3500.39,2200 3500.39,2408.91 3580.98,2489.5 3619.42,2489.5 Q2.G4@3625.98,2496.06
G4H: R124.1 U21.6
G4L: R132.1 U21.7
G5: J8.1 Q2.G5 R65.2 R68.2 R75.2 | length 691.7
  Top Layer w10: Q2.G5@3751.97,3503.94 3706.06,3503.94 3690,3520 3690,3685 3770,3765 3995,3765 4030,3800 J8.1@4100.39,3800
G5H: R68.1 U10.6
G5L: R75.1 U10.7
G6: J15.1 Q2.G6 R95.2 R98.2 R106.2 | length 308.3
  Top Layer w10: J15.1@4100.39,2200 4100.39,2461.95 4129.92,2491.48 Q2.G6@4129.92,2496.06
G6H: R98.1 U17.6
G6L: R106.1 U17.7
GD_DIS: R83.1 U5.74 | length 428.3
  Top Layer w10: R83.1@6830,3491.38 R83.1@6818.62,3480 6819.53,3480 6846.27,3506.75 6856.75,3506.75 v1(6860,3510) ; v1(7015,3555) 7015,3505.05 7020,3500.05 7020,3427.61 7035.48,3412.13 7062.09,3412.13 U5.74@7066.93,3407.28
  Bottom Layer w10: v1(6860,3510) 6900.81,3510 6945.81,3555 v1(7015,3555)
GD_DIS_FILT: C146.1 R83.2 R220.2 U11.1 U11.19 | length 465.8
  Top Layer w10: U11.19@6510.59,3589.41 6555.59,3589.41 6581.18,3563.82 6750.75,3563.82 v1@6766.31,3548.25 ; R83.2@6761.38,3480 6761.38,3526.78 6775,3540.4 v1(6775,3545)
  Bottom Layer w10: C146.1@6746.42,3509.05 6771.75,3534.37 6771.75,3541.75 v1(6775,3545) v1@6775,3540.4 ; R220.2@6756.38,3430 C146.1@6756.42,3500